# Altium PCB core_V1.0.PcbDoc
Units mil, origin at the board's own origin, x right, y up, seen from the top; angles counter-clockwise.
Board outline 1666.36 x 1126.34 mil, 2 copper layers (Top Layer, Bottom Layer); 67 components, 83 nets, 304 pads, 177 vias.
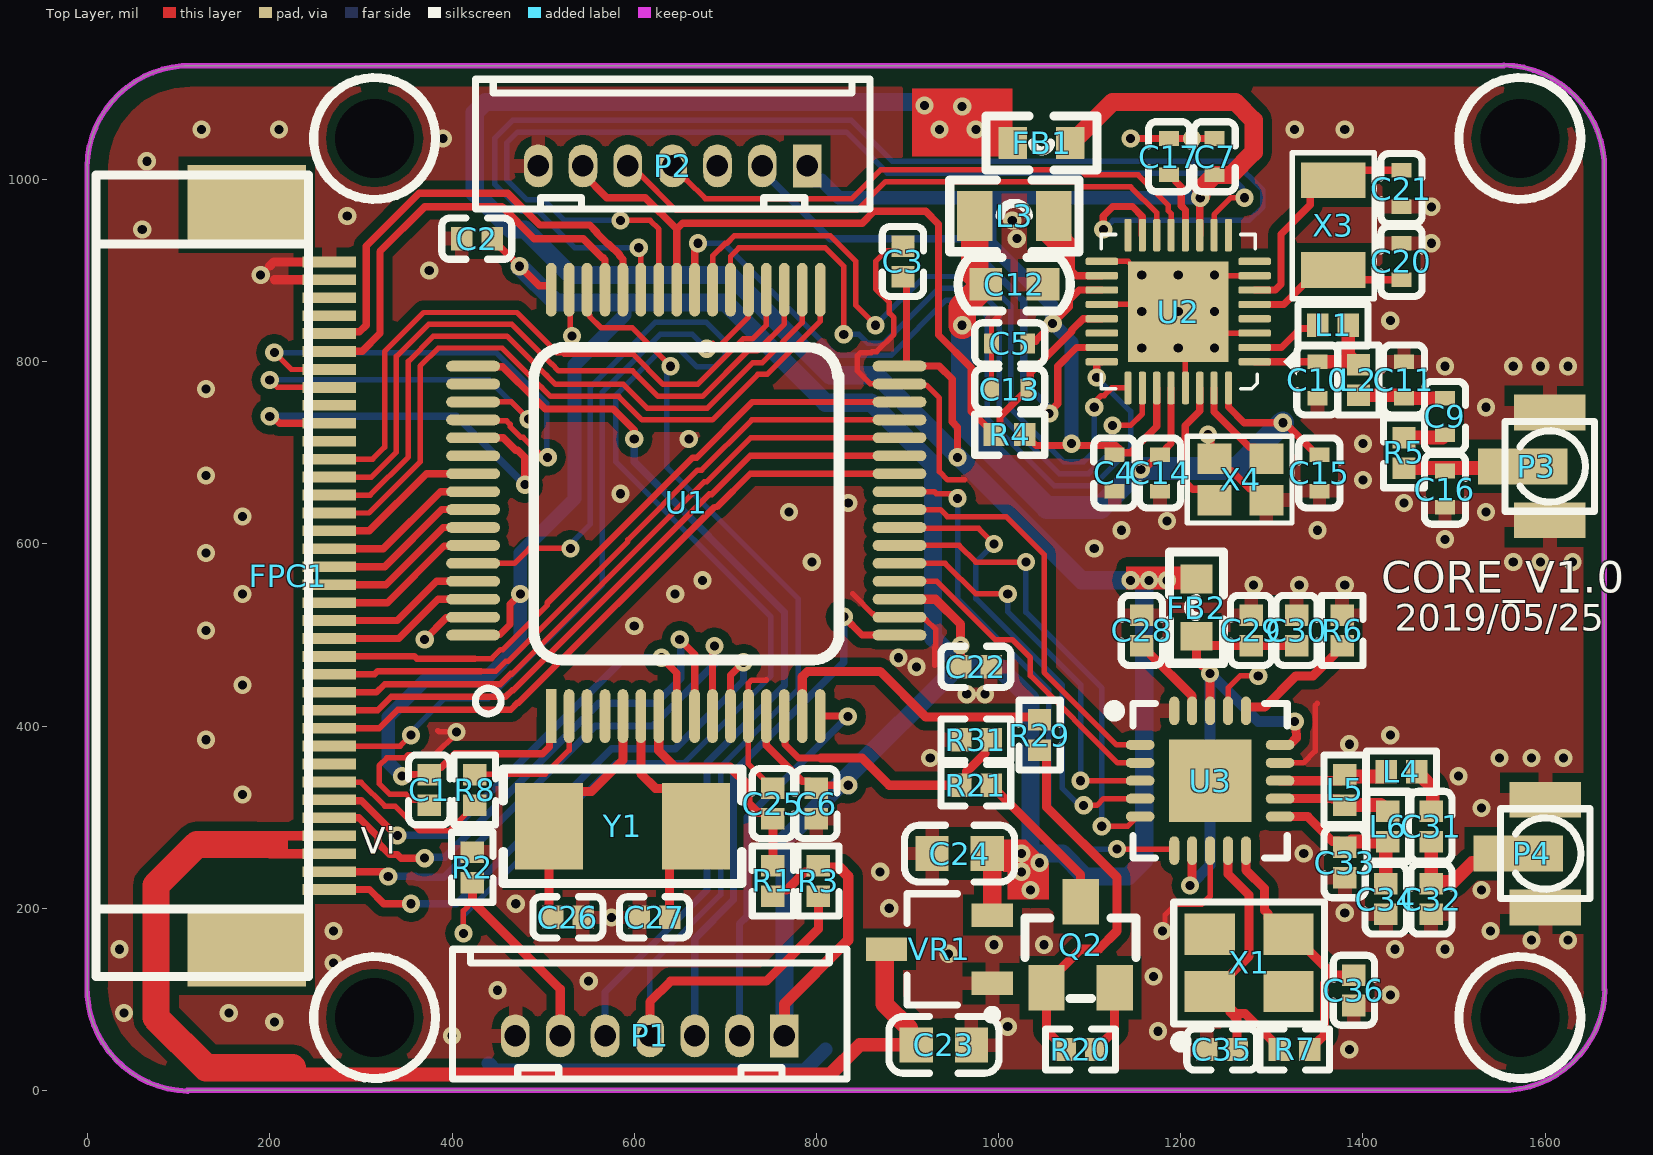
[diagram p0: Top Layer view]
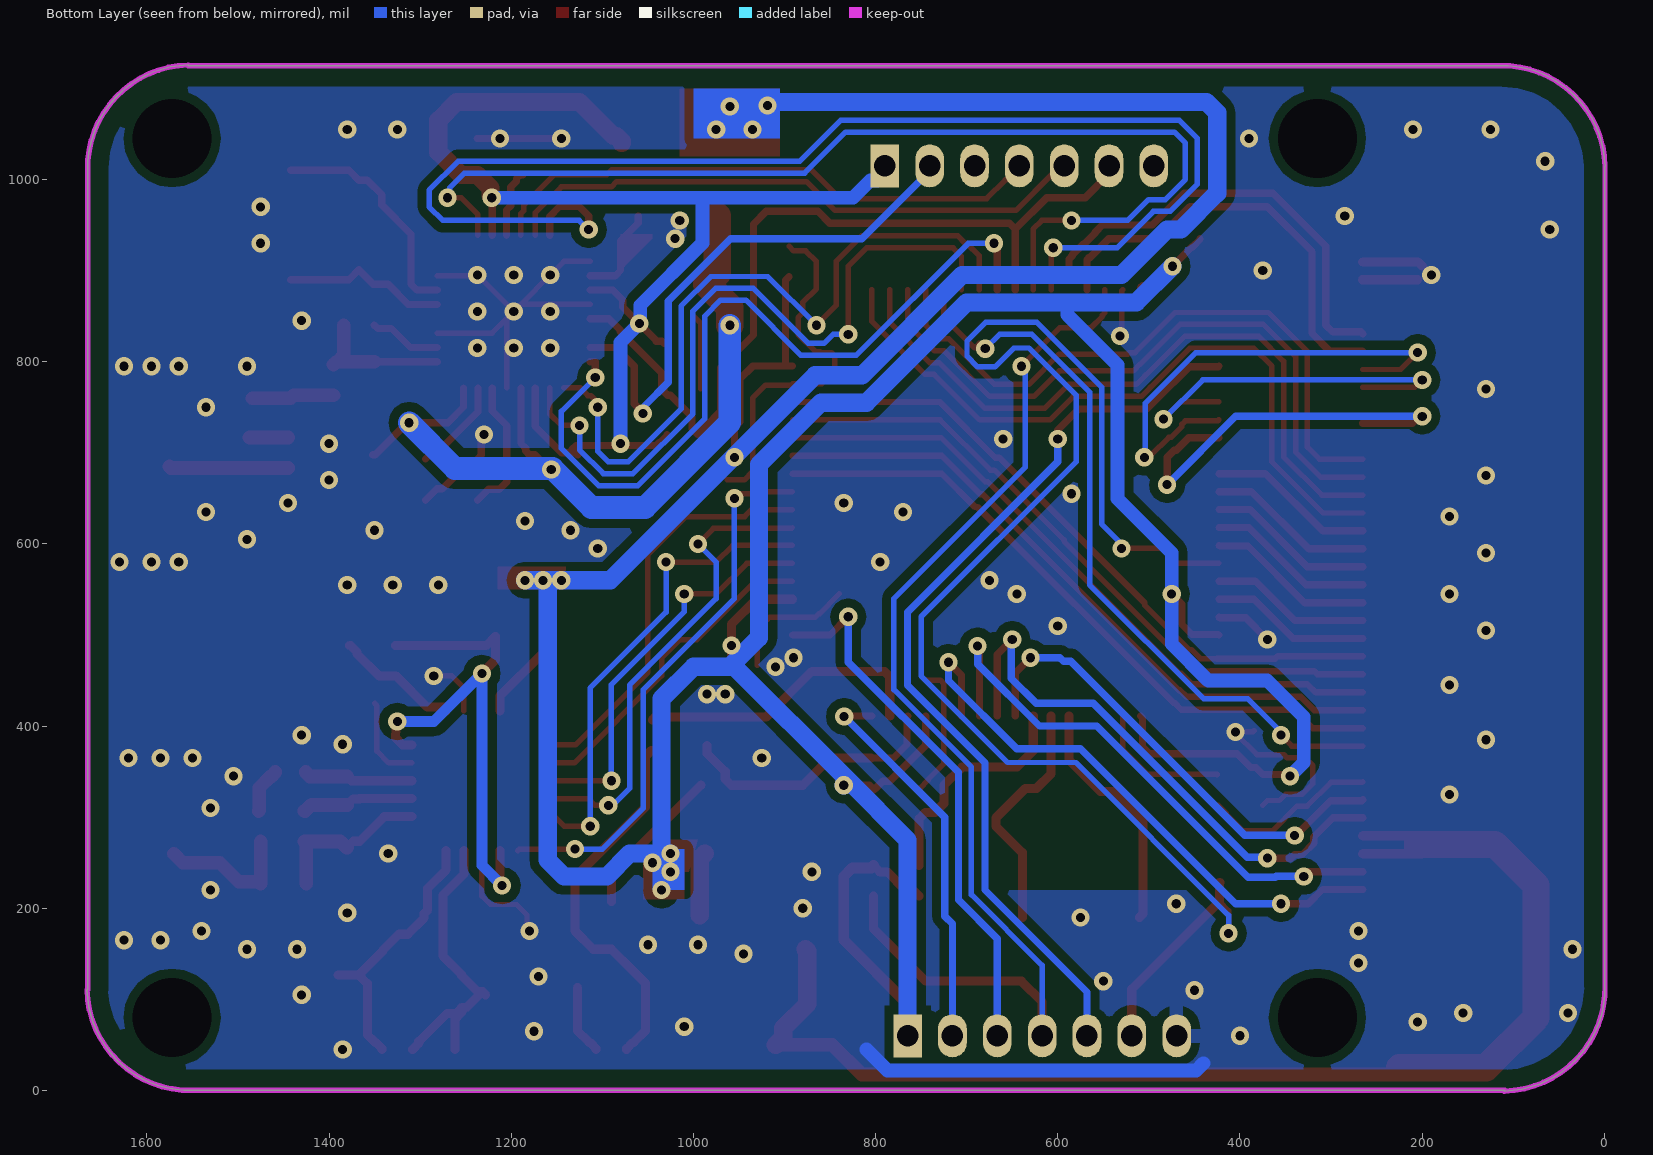
[diagram p1: Bottom Layer view, seen from below]
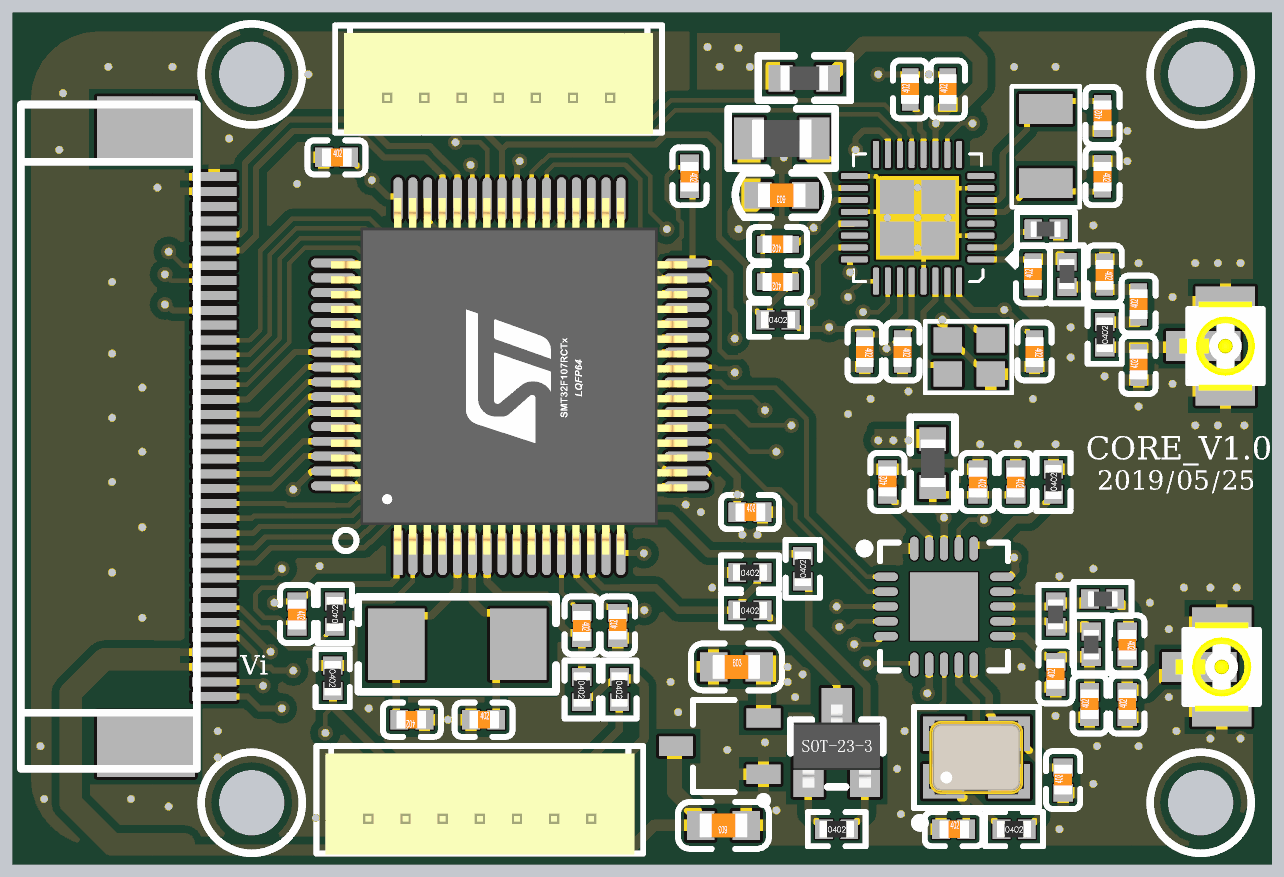
[diagram p2: 3D render of the assembled board from above, using the file's embedded part models]

## Layer stack, top to bottom
Top Solder: solder mask 0.4, Solder Resist, Dk 3.5
Top Layer: signal copper 1.4
Dielectric 1: dielectric 12.6, FR-4, Dk 4.8
Bottom Layer: signal copper 1.4
Bottom Solder: solder mask 0.4, Solder Resist, Dk 3.5

## Board outline
-0.66,115.01 ccw(c112.5,112.5) 109.99,-0.66 109.32,0 1550,0 ccw(c1552.51,113.16) 1665.68,110.65 1665,110.65 1665,1010 ccw(c1551.84,1012.51) 1554.35,1125.68 1554.35,1125 115,1125 ccw(c112.49,1011.84) -0.68,1014.35 -0.66,1014.35

## Design rules (kind name [scope] priority, off if disabled: settings)
Clearance Clearance_Polygon-Earth [InPolygon vs InNetClass('Earth')] p1: gap=40 ignorepadtopadclearanceinfootprint=FALSE except(0: Arc-Hole Track-Hole SMDPad-Hole THPad-Hole Via-Hole Fill-Hole Poly-Hole Region-Hole Text-Hole)
Clearance Clearance_TH [InPolygon vs InPadClass('TH')] p2: gap=35 ignorepadtopadclearanceinfootprint=FALSE except(0: Arc-Hole Track-Hole SMDPad-Hole THPad-Hole Via-Hole Fill-Hole Poly-Hole Region-Hole Text-Hole)
Clearance Clearance_Polygon-SH [InPolygon vs InNetClass('SH')] p3: gap=20 ignorepadtopadclearanceinfootprint=FALSE except(0: Arc-Hole Track-Hole SMDPad-Hole THPad-Hole Via-Hole Fill-Hole Poly-Hole Region-Hole Text-Hole)
Clearance Clearance_Polygon-Vin [InPolygon vs InNetClass('Vin')] p4: gap=25 ignorepadtopadclearanceinfootprint=FALSE except(0: Arc-Hole Track-Hole SMDPad-Hole THPad-Hole Via-Hole Fill-Hole Poly-Hole Region-Hole Text-Hole)
Clearance Clearance_Polygon-mark [InPolygon vs InPadClass('mark')] p5: gap=40 ignorepadtopadclearanceinfootprint=FALSE except(0: Arc-Hole Track-Hole SMDPad-Hole THPad-Hole Via-Hole Fill-Hole Poly-Hole Region-Hole Text-Hole)
Clearance Clearance_Polygon-bound [InPolygon vs OnLayer('Keep-Out Layer')] p6: gap=20 ignorepadtopadclearanceinfootprint=FALSE except(0: Arc-Hole Track-Hole SMDPad-Hole THPad-Hole Via-Hole Fill-Hole Poly-Hole Region-Hole Text-Hole)
Clearance Clearance_Polygon [InPolygon] p7: gap=10 ignorepadtopadclearanceinfootprint=FALSE except(0: Arc-Hole Track-Hole SMDPad-Hole THPad-Hole Via-Hole Fill-Hole Poly-Hole Region-Hole Text-Hole)
Clearance [All] p8: gap=7 ignorepadtopadclearanceinfootprint=FALSE except(0: Arc-Hole Track-Hole SMDPad-Hole THPad-Hole Via-Hole Fill-Hole Poly-Hole Region-Hole Text-Hole)
ComponentClearance [All] p1: gap=0 collisioncheckmode=3 verticalgap=0 showdistances=FALSE
DiffPairsRouting [All] p1: maxlimit=50 minlimit=8 mostfreqgap=10 toplayer_minwidth=8 toplayer_maxwidth=15 toplayer_prefwidth=12 bottomlayer_minwidth=8 bottomlayer_maxwidth=15 bottomlayer_prefwidth=12 maxuncoupledlength=50
HoleSize [All] p1: absolutevalues=TRUE maxlimit=130 minlimit=10 maxpercent=80.000 minpercent=20.000
HoleToHoleClearance [All] p1: gap=0 allowstackedmicrovias=TRUE
MinimumSolderMaskSliver [All] p1: minsoldermaskwidth=0
PlaneClearance [All] p1: clearance=30
PlaneConnect [All] p1: planeconnectstyle=Direct reliefexpansion=20 reliefentries=4 reliefconductorwidth=20 reliefairgap=10
PolygonConnect via [IsVia] p1: connectstyle=Direct reliefconductorwidth=10 reliefentries=4 polygonreliefangle="90 Angle" airgapwidth=10
PolygonConnect [All] p2: connectstyle=Relief reliefconductorwidth=15 reliefentries=4 polygonreliefangle="90 Angle" airgapwidth=10
RoomDefinition U_NRF24L01 [InComponentClass('U_NRF24L01')] p1: confinementstyle=ConfineOut formatcopy=TRUE lockcomponents=FALSE outline 2575,35 2180,35 2180,415 2575,415
RoomDefinition U_core [InComponentClass('U_core')] p2: confinementstyle=ConfineOut formatcopy=TRUE lockcomponents=FALSE outline 1840,-80 2925,-80 2925,175 1840,175
RoomDefinition U_ble [InComponentClass('U_ble')] p3: confinementstyle=ConfineOut formatcopy=TRUE lockcomponents=FALSE outline 2105,530 2105,220 2940,220 2940,550
RoutingVias [All] p1: holewidth=10 width=20 viastyle="Through Hole" minholewidth=10 minwidth=20 maxholewidth=100 maxwidth=100
SilkToSilkClearance [All] p1: silktosilkclearance=0
SilkToSolderMaskClearance [IsPad] p1: minsilkscreentomaskgap=0 clearancetoexposedcopper=TRUE
SolderMaskExpansion [All] p1: expansion=4
Width [All] p1: maxlimit=200 minlimit=6 preferedwidth=10
21 further rules are at their usual default settings.

## Classes and differential pairs
component class U_NRF24L01: C28 C29 C30 C31 C32 C33 C34 C35 C36 FB2 L4 L5 L6 P4 R6 R7 U3 X1
component class U_core: C1 C2 C3 C6 C22 C23 C24 C25 C26 C27 FPC1 P1 Q2 R1 R2 R3 R8 R20 R21 R29 R31 U1 VR1 Y1
component class U_ble: C4 C5 C7 C9 C10 C11 C12 C13 C14 C15 C16 C17 C20 C21 FB1 L1 L2 L3 P2 P3 R4 R5 U2 X3 X4

## Components (designator, comment, footprint, x,y, rotation, side; value= is the part's Value field where it differs from the comment)
C1 "100nF (104) 10% 16V" 0402_C#1 375,330 r270 top
C2 "100nF (104) 10% 16V" 0402_C#1 427.2,935 r0 top
C3 "100nF (104) 10% 16V" 0402_C#1 895,910 r270 top
C4 "100nF" 0402_C#2 1127.1,677.9 r270 top
C5 "100nF" 0402_C#2 1012.2,820 r180 top
C6 "100nF (104) 10% 16V" 0402_C#1 800,315 r90 top
C7 "100nF" 0402_C#2 1237.2,1025 r90 top
C9 "12pF ±1%" 0402_C#2 1490,740 r90 top
C10 "1.2pF ±0.1pF" 0402_C#2 1350,780 r90 top
C11 "1.2pF ±0.1pF" 0402_C#2 1445,780 r270 top
C12 "10uF" c0603 1017.2,885 r180 top
C13 "100nF" 0402_C#2 1012.2,770 r180 top
C14 "100nF" 0402_C#2 1177.1,677.9 r270 top
C15 "100nF" 0402_C#2 1352.1,677.9 r270 top
C16 "1.2pF ±0.1pF" 0402_C#2 1490,660 r90 top
C17 "1uF" 0402_C#2 1187.2,1025 r90 top
C20 "12pF ±1%" 0402_C#2 1442.2,910 r270 top
C21 "12pF ±1%" 0402_C#2 1442.2,990 r90 top
C22 "100nF (104) 10% 16V" 0402_C#1 975,465 r0 top
C23 "4.7uF (475) 10% 16V" 0603_C 940,50 r180 top
C24 "4.7uF (475) 10% 16V" 0603_C 957.2,260 r0 top
C25 "100nF (104) 10% 16V" 0402_C#1 752.2,315 r270 top
C26 "30pF (300) 5% 50V" 0402_C#1 527.2,190 r180 top
C27 "30pF (300) 5% 50V" 0402_C#1 622.2,190 r0 top
C28 "33nF (333) 20% 50V" 0402_C#1 1157.2,505 r90 top
C29 "10nF (103) 10% 50V" 0402_C#1 1277.2,505 r270 top
C30 "1nF (102) 10% 50V" 0402_C#1 1327.2,505 r270 top
C31 "1.5pF (1R5) 0.25pF 50V" 0402_C#1 1475,290 r270 top
C32 "1pF (1R0) 0.25pF 50V" 0402_C#1 1475,210 r90 top
C33 "2.2nF (222) 10% 50V" 0402_C#1 1380,250 r90 top
C34 "4.7pF (4R7) 0.25pF 50V" 0402_C#1 1425,210 r90 top
C35 "22pF (220) 5% 50V" 0402_C#1 1245,45 r0 top
C36 "22pF (220) 5% 50V" 0402_C#1 1390,110 r90 top
FB1 "FB120R" L0603 1047.2,1040 r180 top
FB2 "FB120R" L0603 1217.2,530 r90 top
FPC1 "AFC07-S36ECC-00" FPC-0.5MM-36P-LCS-SJ-H2.0 220,565 r90 top
L1 "15nH ±5%" LC-0402_L 1367.2,840 r180 top
L2 "2nH ±0.3nH" LC-0402_L 1395,780 r90 top
L3 "10uH ±20% 1A" L0805 1017.2,960 r0 top
L4 "3.9nH 3%" 0402_L 1442.2,350 r0 top
L5 "8.2nH 5%" 0402_L 1380,330 r270 top
L6 "2.7nH 0.3nH" 0402_L 1427.2,290 r270 top
P1 "CON7-1.27" PH_7PIN_1.25_H-2 617.2,60 r180 top
P2 "CON7-1.27" PH_7PIN_1.25_H-2 642.2,1015 r180 top
P3 "CONN_SMA_RF_3PIN" PH_RF_2.5X2.5 1605,685 r90 top
P4 "CONN_SMA_RF_3PIN" PH_RF_2.5X2.5 1600,260 r90 top
Q2 "LBSS84LT1G" sot-23 1090,160 r0 top
R1 "10KΩ (1002) ±1%" 0402_R 752.2,230 r270 top
R2 "10KΩ (1002) ±1%" 0402_R 422.2,245 r270 top
R3 "10KΩ (1002) ±1%" 0402_R 802.2,230 r270 top
R4 "100k" 0402_R 1012.2,720 r0 top
R5 "0R" 0402_R 1445,700 r90 top
R6 "22KΩ (2202) ±1%" 0402_R 1377.2,505 r90 top
R7 "1MΩ (1004) ±1%" 0402_R 1325,45 r0 top
R8 "1k" 0402_R 425,330 r90 top
R20 "43k" 0402_R 1090,45 r0 top
R21 "43k" 0402_R 975,335 r0 top
R29 "1k" 0402_R 1045,390 r90 top
R31 "22k" 0402_R 975,385 r0 top
U1 "STM32L152RCT6" LQFP64 657.2,645 r90 top
U2 "CC2640R2FRSM" VQFN-32_4x4x04P 1197.2,855 r90 top
U3 "NRF24L01" QFN-20_4X4X05P 1232.2,340 r270 top
VR1 "XC6206P332MR" SOT-23-3L 935,155 r0 top
X1 "16MHZ 9PF 10PPM" SMD-3225_4P 1275,140 r0 top
X3 "FC-135 32.768KHZ 9PF 20PPM" FC-135 1367.2,950 r270 top
X4 "FA-128 24MHz 8pF ±10ppm" FA-128 1237.1,647.9 r0 top
Y1 "8MHz ±20ppm 20pF" SMD-5032_2P 587.2,290 r0 top

## Footprints (in the part's own frame and the unit in brackets; to place one, negate y for a bottom-side part, rotate by r counter-clockwise, add the part's x,y. Pads: shape width x height; smd on the part's side, far side on the other; paste and mask are expansions set on the pad)
0402_C#1 [mm]
  rect 0.6x0.65 smd mask+0.051: 1(-0.425,0) 2(0.425,0)
  silkscreen extent -0.97,-0.58 0.97,0.58, body extent -0.48,-0.3 0.52,0.3, height 0.2
0402_C#2 [mm]
  rect 0.406x0.559 smd mask+0.051: 1(-0.508,0) 2(0.508,0)
  silkscreen extent -0.97,-0.58 0.97,0.58, body extent -0.48,-0.3 0.52,0.3, height 0.2
0402_L [mm]
  rect 0.6x0.65 smd mask+0.051: 1(-0.425,0) 2(0.425,0)
  silkscreen extent -0.97,-0.58 0.97,0.58, body extent -0.51,-0.26 0.54,0.26, height 0.36
0402_R [mm]
  rect 0.6x0.65 smd mask+0.051: 1(-0.425,0) 2(0.425,0)
  silkscreen extent -0.97,-0.58 0.97,0.58, body extent -0.57,-0.27 0.58,0.28, height 0.41
0603_C [mm]
  rect 0.93x0.98 smd: 1(-0.77,0) 2(0.77,0)
  silkscreen extent -1.53,-0.79 1.54,0.79, body extent -0.8,-0.4 0.8,0.4, height 0.3
c0603 [mm]
  rect 0.91x0.9 smd: 1(-0.8,0) 2(0.8,0)
  silkscreen extent -1.56,-0.75 1.56,0.75, body extent -0.8,-0.4 0.8,0.4, height 0.3
FA-128 [mm]
  rect 0.95x0.85 smd: 1(0,0) 2(1.45,0) 3(1.45,1.15) 4(0,1.15)
  silkscreen extent -0.76,-0.64 2.16,1.78
FC-135 [mm]
  rect 1x1.8 smd: 1(-1.25,0) 2(1.25,0)
  silkscreen extent -2.01,-1.14 2.05,1.14
FPC-0.5MM-36P-LCS-SJ-H2.0 [mm]
  rect 0.3x1.5 smd: 1(-8.749,-1.149) 2(-8.25,-1.149) 3(-7.75,-1.149) 4(-7.249,-1.149) 5(-6.749,-1.149) 6(-6.248,-1.149) 7(-5.748,-1.149) 8(-5.249,-1.149) 9(-4.75,-1.149) 10(-4.249,-1.149) 11(-3.749,-1.149) 12(-3.249,-1.149) 13(-2.748,-1.149) 14(-2.249,-1.149) 15(-1.749,-1.149) 16(-1.25,-1.149) 17(-0.749,-1.149) 18(-0.249,-1.149) 19(0.251,-1.149) 20(0.752,-1.149) 21(1.252,-1.149) 22(1.75,-1.149) 23(2.25,-1.149) 24(2.751,-1.149) 25(3.251,-1.149) 26(3.752,-1.149) 27(4.252,-1.149) 28(4.751,-1.149) 29(5.25,-1.149) 30(5.751,-1.149) 31(6.251,-1.149) 32(6.751,-1.149) 33(7.252,-1.151) 34(7.752,-1.151) 35(8.252,-1.151) 36(8.75,-1.149)
  rect 2.2x3.3 smd: 37(10.348,1.151) 38(-10.348,1.151)
  silkscreen extent -11.18,-0.57 11.18,5.35
L0603 [mm]
  rect 0.8x0.9 smd: 1(-0.8,0) 2(0.8,0)
  silkscreen extent -1.55,-0.75 1.55,0.75, body extent -0.82,-0.41 0.83,0.41, height 0.46
L0805 [mm]
  rect 1x1.4 smd: 1(-1.1,0) 2(1.1,0)
  silkscreen extent -1.8,-1 1.8,1, body extent -1.02,-0.64 1.03,0.64, height 0.6
LC-0402_L [mm]
  rect 0.6x0.65 smd mask+0.051: 1(-0.425,0) 2(0.425,0)
  silkscreen extent -0.98,-0.58 0.97,0.58, body extent -0.51,-0.26 0.54,0.26, height 0.36
LQFP64 [mm] "LQFP64"
  rect 1.5x0.3 smd: 1(-5.945,3.768)
  oval 1.5x0.3 smd: 2(-5.945,3.268) 3(-5.945,2.768) 4(-5.945,2.268) 5(-5.945,1.768) 6(-5.945,1.268) 7(-5.945,0.768) 8(-5.945,0.268) 9(-5.945,-0.232) 10(-5.945,-0.732) 11(-5.945,-1.232) 12(-5.945,-1.732) 13(-5.945,-2.232) 14(-5.945,-2.732) 15(-5.945,-3.232) 16(-5.945,-3.732) 33(5.945,-3.732) 34(5.945,-3.232) 35(5.945,-2.732) 36(5.945,-2.232) 37(5.945,-1.732) 38(5.945,-1.232) 39(5.945,-0.732) 40(5.945,-0.232) 41(5.945,0.268) 42(5.945,0.768) 43(5.945,1.268) 44(5.945,1.768) 45(5.945,2.268) 46(5.945,2.768) 47(5.945,3.268) 48(5.945,3.768)
  oval 0.3x1.5 smd: 17(-3.687,-5.945) 18(-3.186,-5.945) 19(-2.687,-5.945) 20(-2.186,-5.945) 21(-1.687,-5.945) 22(-1.186,-5.945) 23(-0.687,-5.945) 24(-0.186,-5.945) 25(0.313,-5.945) 26(0.814,-5.945) 27(1.313,-5.945) 28(1.814,-5.945) 29(2.313,-5.945) 30(2.814,-5.945) 31(3.313,-5.945) 32(3.814,-5.945) 49(3.814,5.945) 50(3.313,5.945) 51(2.814,5.945) 52(2.313,5.945) 53(1.814,5.945) 54(1.313,5.945) 55(0.814,5.945) 56(0.313,5.945) 57(-0.186,5.945) 58(-0.687,5.945) 59(-1.186,5.945) 60(-1.687,5.945) 61(-2.186,5.945) 62(-2.687,5.945) 63(-3.186,5.945) 64(-3.687,5.945)
  silkscreen extent -5.88,-4.26 4.34,5.88, body extent -6,-5.97 6,6.03, height 1.6
PH_7PIN_1.25_H-2 [mm]
  rect 0.8x1.2 hole 0.6: 1(-3.75,0)
  oval 0.8x1.2 hole 0.6: 2(-2.5,0) 3(-1.25,0) 4(0,0) 5(1.25,0) 6(2.5,0) 7(3.75,0)
  silkscreen extent -5.5,-2.41 5.5,1.2, body extent -5.2,-2.16 5.2,1.24, height 4.77
PH_RF_2.5X2.5 [mm]
  rect 1x2 smd: 1(-1.5,0) 3(1.5,0)
  rect 1x2.5 smd: 2(0,0.75)
  silkscreen extent -1.25,-1.25 1.25,1.25, body extent -1.5,-1.3 1.5,1.55, height 1.3
QFN-20_4X4X05P [mm]
  rect 2.3x2.3 smd mask+0.051: 0(0,0)
  oval 0.28x0.8 smd mask+0.051: 1(-1,-1.95) 2(-0.5,-1.95) 3(0,-1.95) 4(0.5,-1.95) 5(1,-1.95) 11(1,1.95) 12(0.5,1.95) 13(0,1.95) 14(-0.5,1.95) 15(-1,1.95)
  oval 0.8x0.28 smd mask+0.051: 6(1.95,-1) 7(1.95,-0.5) 8(1.95,0) 9(1.95,0.5) 10(1.95,1) 16(-1.95,1) 17(-1.95,0.5) 18(-1.95,0) 19(-1.95,-0.5) 20(-1.95,-1)
  silkscreen extent -2.15,-2.82 2.15,2.15
SMD-3225_4P [mm]
  rect 1.4x1.15 smd: 1(-1.1,-0.8) 2(1.1,-0.8) 3(1.1,0.8) 4(-1.1,0.8)
  silkscreen extent -2.1,-2.35 2.1,1.7, body extent -1.6,-1.25 1.6,1.25, height 0.61
SMD-5032_2P [mm]
  rect 1.9x2.4 smd: 1(-2.05,0) 2(2.05,0)
  silkscreen extent -3.32,-1.6 3.32,1.6
sot-23 [mm]
  rect 1.016x1.27 smd: 1(-0.95,-1.2) 2(0.95,-1.2) 3(0,1.2)
  silkscreen extent -1.55,-1.5 1.55,0.75, body extent -1.45,-1.53 1.45,1.27, height 1.2
SOT-23-3L [mm] "http://www.aosmd.com/res/packaging_information/SOT-23-3L.pdf"
  rect 1.15x0.65 smd: 1(1.475,-0.95) 2(1.475,0.95) 3(-1.475,0)
  silkscreen extent -0.9,-1.95 1.6,1.55, body extent -0.9,-1.55 0.9,1.55, height 1.25
VQFN-32_4x4x04P [mm]
  rrect50% 0.202x0.91 smd mask+0.08: 1(-1.4,-2.13) 2(-1,-2.13) 3(-0.6,-2.13) 4(-0.2,-2.13) 5(0.2,-2.13) 6(0.6,-2.13) 7(1,-2.13) 8(1.4,-2.13) 17(1.4,2.13) 18(1,2.13) 19(0.6,2.13) 20(0.2,2.13) 21(-0.2,2.13) 22(-0.6,2.13) 23(-1,2.13) 24(-1.4,2.13)
  rrect50% 0.91x0.202 smd mask+0.08: 9(2.13,-1.4) 10(2.13,-1) 11(2.13,-0.6) 12(2.13,-0.2) 13(2.13,0.2) 14(2.13,0.6) 15(2.13,1) 16(2.13,1.4) 25(-2.13,1.4) 26(-2.13,1) 27(-2.13,0.6) 28(-2.13,0.2) 29(-2.13,-0.2) 30(-2.13,-0.6) 31(-2.13,-1) 32(-2.13,-1.4)
  rect 2.799x2.799 smd paste-10 mask+0.08: 33(0,0)
  silkscreen extent -2.15,-3.3 2.15,2.15

## Part data
C1 C2 C3 C6 C22 C25: library part "0402 100nF (104) 10% 16V", "贴片电容", Package=0402, SuppliersPartNumber=C1525, ComponentLink1URL=http://www.szlcsc.com/product/details_1877.html, Supplier=LC
  C1 C2 C3 C22 C25: ComponentLink1Description=供应
  C6: ComponentLink1Description=供应商
C4 C5 C7 C13 C14 C15: library part Cap-0402_100n, "表贴电容0402,±10%,16V,X7R", Part Number=RP02.04.000221, LatestRevisionDate=09-Feb-2017, LatestRevisionNote="SCHlib build", PackageDescription=0402C, Publisher=ChenYinaho
C9 C20 C21: library part Cap-0402_12p_mu_1%, "表贴陶瓷电容,0402,±1%,50V,C0G", Manufacturer=´åÌ, Manufacturer Part Number=GRM1555C1H120FA01D, Part Number=NEW, LatestRevisionDate=09-Feb-2017, LatestRevisionNote="SCHlib build", PackageDescription=C0402, Publisher=ChenYinaho
C10 C11: library part Cap-0402_1.2p_mu, "表贴陶瓷电容,0402,±0.1pF,50V,C0G", Manufacturer=´åÌ, Manufacturer Part Number=GRM1555C1H1R2BA01D, Part Number=NEW, LatestRevisionDate=09-Feb-2017, LatestRevisionNote="SCHlib build", PackageDescription=C0402, Publisher=ChenYinaho
C12: library part Cap-SMT-0603_10u, "表贴陶瓷电容,0603,±10%,10V", Manufacturer=YAGO, Part Number=RP02.04.000062, LatestRevisionDate=09-Feb-2017, LatestRevisionNote="SCHlib build", PackageDescription=C0603, Publisher=ChenYinaho
C16: library part Cap-0402_1.2p_mu, "表贴陶瓷电容,0402,±0.1pF,50V,C0G", Manufacturer=村?, Manufacturer Part Number=GRM1555C1H1R2BA01D, Part Number=NEW, LatestRevisionDate=09-Feb-2017, LatestRevisionNote="SCHlib build", PackageDescription=C0402, Publisher=ChenYinaho
C17: library part Cap-0402_1u, "表贴电容0402,±10%,6.3V", Part Number=RP02.04.000220, LatestRevisionDate=09-Feb-2017, LatestRevisionNote="SCHlib build", PackageDescription=0402C, Publisher=ChenYinaho
C23 C24: library part "0603 4.7uF (475) 10% 16V", "贴片电容", Package=0603, SuppliersPartNumber=C19666, ComponentLink1Description=供应, ComponentLink1URL=http://www.szlcsc.com/product/details_20375.html, Supplier=LC
C26 C27: library part "0402 30pF (300) 5% 50V", "贴片电容", Package=0402, SuppliersPartNumber=C1570, ComponentLink1Description=供应, ComponentLink1URL=http://www.szlcsc.com/product/details_1922.html, Supplier=LC
C28: library part "0402 33nF (333) 20% 50V", "贴片电容", Package=0402, SuppliersPartNumber=C1585, ComponentLink1Description=供应, ComponentLink1URL=http://www.szlcsc.com/product/details_1937.html, Supplier=LC
C29: library part "0402 10nF (103) 10% 50V", "贴片电容", Package=0402, SuppliersPartNumber=C15195, ComponentLink1Description=供应, ComponentLink1URL=http://www.szlcsc.com/product/details_15869.html, Supplier=LC
C30: library part "0402 1nF (102) 10% 50V", "贴片电容", Package=0402, SuppliersPartNumber=C1523, ComponentLink1Description=供应, ComponentLink1URL=http://www.szlcsc.com/product/details_1875.html, Supplier=LC
C31: library part "0402 1.5pF (1R5) 0.25pF 50V", "贴片电容", Package=0402, SuppliersPartNumber=C1552, ComponentLink1Description=供应, ComponentLink1URL=http://www.szlcsc.com/product/details_1904.html, Supplier=LC
C32: library part "0402 1pF (1R0) 0.25pF 50V", "贴片电容", Package=0402, SuppliersPartNumber=C1550, ComponentLink1Description=供应, ComponentLink1URL=http://www.szlcsc.com/product/details_1902.html, Supplier=LC
C33: library part "0402 2.2nF (222) 10% 50V", "贴片电容", Package=0402, SuppliersPartNumber=C1531, ComponentLink1Description=供应, ComponentLink1URL=http://www.szlcsc.com/product/details_1883.html, Supplier=LC
C34: library part "0402 4.7pF (4R7) 0.25pF 50V", "贴片电容", Package=0402, SuppliersPartNumber=C1569, ComponentLink1Description=供应, ComponentLink1URL=http://www.szlcsc.com/product/details_1921.html, Supplier=LC
C35 C36: library part "0402 22pF (220) 5% 50V", "贴片电容", Package=0402, SuppliersPartNumber=C1555, ComponentLink1Description=供应, ComponentLink1URL=http://www.szlcsc.com/product/details_1907.html, Supplier=LC
FB1 FB2: library part FB_0603_120R, "贴片磁珠", Manufacturer=TDK, Part Number=RP02.99.000093, LatestRevisionDate=09-Feb-2017, LatestRevisionNote="SCHlib build", Publisher=ChenYinaho
FPC1: BOM_Manufacturer=JUSHUO, BOM_Manufacturer Part=AFC07-S36ECC-00, BOM_Supplier=LCSC, BOM_Supplier Part=C262254, Contributor=LCSC, spicePre=F
L1: library part Inductor_0402_15nH, "贴片电感 多层 0402 ±5% 450mA", Manufacturer=´åÌ, Manufacturer Part Number=LQG15HS15NJ02D, Part Number=NEW, LatestRevisionDate=09-Feb-2017, LatestRevisionNote="SCHlib build", Publisher=ChenYinaho
L2: library part Inductor_0402_2nH, "贴片电感 多层 0402 ±0.3nH 900mA", Manufacturer=´åÌ, Manufacturer Part Number=LQG15HS2N0S02D, Part Number=NEW, LatestRevisionDate=09-Feb-2017, LatestRevisionNote="SCHlib build", Publisher=ChenYinaho